# Altium PCB 10515.0462_全联供主板(2拼版)_V1.0.PcbDoc (part 5 of 18)
Units mm, origin at the board's own origin, x right, y up, seen from the top; angles counter-clockwise.
Board outline 282 x 198 mm, 2 copper layers (Top Layer, Bottom Layer); 716 components, 0 nets, 2364 pads, 1800 vias.
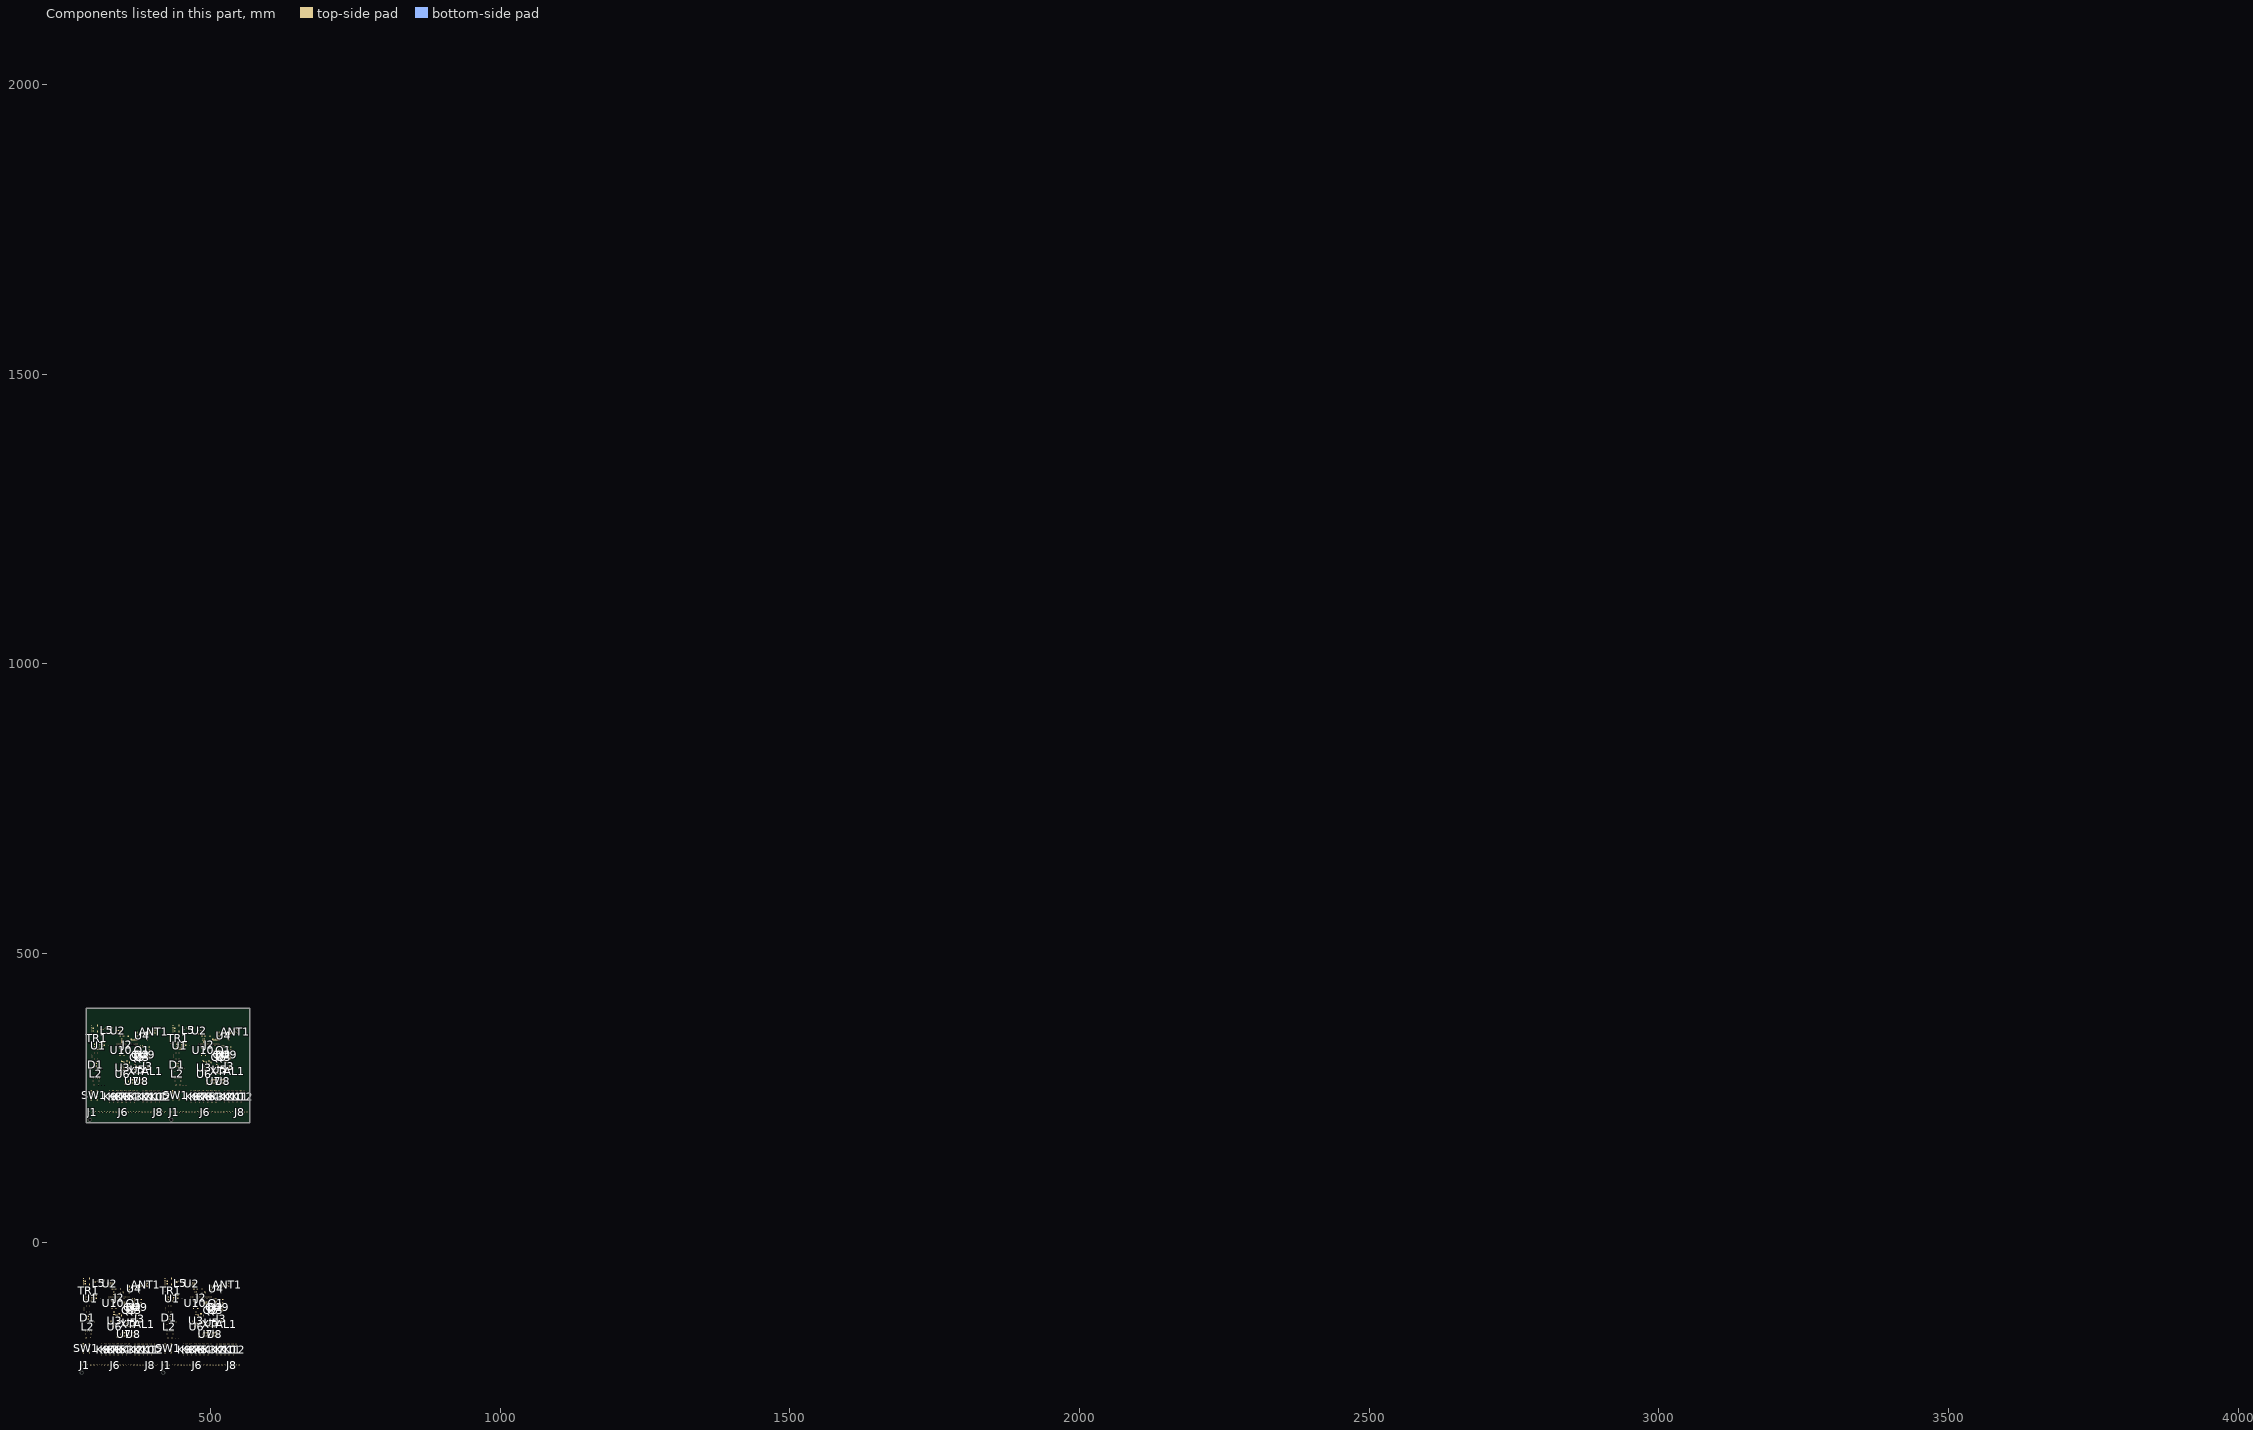
[diagram p5: the components of this part, seen from the top]

## Via types
v1: diameter 0.7, hole 0.4, Top Layer to Bottom Layer, tented both sides, 1800 vias

## Nets (pads, with @x,y where several pads share a name; then routed paths per layer and width w, separated by ;. In a path a pad name is that pad's centre, name@x,y a point inside that pad or via, vN(x,y) a via of type N, cw(c..) or ccw(c..) an arc to the next point about the centre after c; other vN are vias at no path point) (continued)
copper on no net: (continued)
  Top Layer w0.2: 520.272,290.998 ccw(c520.593,291.319) 520.593,290.864 ; 520.328,290.941 cw(c519.945,290.558) 520.487,290.558 ; 520.369,290.9 519.861,291.408 519.099,291.408 518.901,291.607 518.901,292.674 518.901,294.258 519.716,295.074 521.301,295.074 520.732,295.074 ; 520.886,-119.119 cw(c520.363,-119.642) 521.103,-119.642 cw(c521.842,-119.642) 521.319,-119.119 ; v1@521.008,303.473 ccw(c520.404,303.473) 520.831,303.9 ccw(c521.258,304.327) v1@521.258,303.723 ; 521.242,282.672 ccw(c520.815,283.099) 521.419,283.099 ccw(c522.022,283.099) 521.596,282.672 ; 521.301,297.074 524.251,297.074 525.673,295.652 525.991,295.652 526.054,295.652 526.753,296.35 529.674,296.35 529.999,296.025 ; 521.301,297.574 525.719,297.574 ; 521.301,298.074 525.36,298.074 527.411,300.125 527.411,304.577 528.144,305.31 ; 521.301,298.574 525.295,298.574 527.011,300.29 527.011,306.521 527.392,306.902 529.259,306.902 529.532,307.175 529.532,315.284 529.786,315.538 534.339,315.538 534.731,315.931 534.731,317.731 ; 521.301,299.074 525.229,299.074 526.611,300.456 526.611,306.775 527.138,307.302 528.878,307.302 529.132,307.556 529.132,318.84 529.673,319.382 ; 521.301,299.574 525.163,299.574 526.211,300.622 526.211,307.41 526.503,307.702 528.37,307.702 528.732,308.064 528.732,319.456 529.513,320.237 v1(529.513,320.491) ; 521.301,300.074 525.097,300.074 525.811,300.787 525.811,307.645 526.445,308.28 526.445,311.564 ; 521.301,301.074 523.089,301.074 523.329,301.314 523.329,302.603 524.036,303.31 ; 521.301,301.574 522.533,301.574 522.929,301.97 522.929,310.311 522.911,310.329 522.911,314.688 523.488,315.265 527.335,315.265 528.224,316.155 528.224,320.536 528.243,320.555 ; 521.301,302.074 522.11,302.074 522.405,302.369 522.405,303.083 522.401,303.087 522.401,315.03 523.163,315.792 526.465,315.792 526.846,316.173 526.846,320.555 ; 521.301,302.574 521.617,302.574 521.997,302.954 ; 521.929,-133.345 ccw(c521.076,-132.491) 522.283,-132.491 ccw(c523.49,-132.491) 522.637,-133.345 ; 521.966,302.084 ccw(c521.966,302.456) 522.229,302.193 ; 521.974,302.58 cw(c522.197,302.754) 521.997,302.954 ; 522.029,-131.644 cw(c521.416,-132.258) 522.283,-132.258 ; 522.071,-133.486 ccw(c521.559,-132.974) 522.283,-132.974 ccw(c523.007,-132.974) 522.495,-133.486 ; 522.283,-133.571 522.283,-131.517 ; 522.283,-133.378 cw(c524.735,-133.378) 523.001,-131.644 ; 522.283,-132.895 cw(c524.252,-132.895) 522.86,-131.503 ; 522.283,-132.412 cw(c523.769,-132.412) 522.718,-131.362 ; 522.283,-131.93 cw(c523.286,-131.93) 522.577,-131.22 ; 522.413,-71.827 522.554,-71.967 522.579,-71.942 ; 522.512,282.672 ccw(c522.085,283.099) 522.689,283.099 ccw(c523.292,283.099) 522.866,282.672 ; v1@523.417,-74.482 v1@523.631,-74.482 ; 523.448,302.722 cw(c524.036,302.133) 524.036,302.965 ; 523.54,302.814 ccw(c523.082,303.272) 523.729,303.272 ; 523.819,301.404 cw(c523.603,301.187) 523.909,301.187 ; 523.909,300.818 cw(c524.562,300.818) 524.204,301.364 ; 523.909,301.188 cw(c524.319,301.188) 524.094,301.532 ; 524.421,313.215 526.445,313.215 ; 524.688,297.574 cw(c524.688,296.037) 525.774,297.124 ; 524.771,312.965 cw(c525.375,312.361) 525.375,313.215 ; 524.771,313.439 ccw(c525.311,313.978) 525.311,313.215 ; 524.861,296.464 ccw(c525.991,297.594) 525.991,295.996 ccw(c525.991,296.981) 526.687,296.285 ; 524.913,312.823 cw(c525.858,311.878) 525.858,313.215 ; 524.913,313.58 ccw(c525.794,314.461) 525.794,313.215 ; 525.038,325.317 525.356,325 ; 525.17,297.574 cw(c525.17,296.52) 525.916,297.265 ; 525.202,296.123 ccw(c525.991,296.911) 525.991,295.796 ccw(c525.991,296.298) 526.346,295.943 ; 525.544,295.781 ccw(c525.991,296.229) 525.991,295.596 ; 525.653,297.574 cw(c525.653,297.003) 526.057,297.407 ; 525.917,-74.482 526.033,-74.482 ; 526.228,311.309 cw(c525.705,310.786) 526.445,310.786 cw(c527.185,310.786) 526.662,311.309 ; 526.228,312.998 ccw(c525.705,312.475) 525.705,313.215 ccw(c525.705,313.955) 526.228,313.432 ; 526.297,295.69 cw(c526.792,295.69) 526.442,296.039 ; 526.437,322.933 cw(c525.697,322.194) 526.74,322.114 ; 526.629,320.162 cw(c526.106,319.639) 526.846,319.639 cw(c527.586,319.639) 527.063,320.162 ; 526.744,322.625 cw(c526.269,322.15) 526.939,322.099 ; 526.754,322.398 ccw(c526.714,322.523) 526.846,322.523 ccw(c526.978,322.523) 526.938,322.398 ; 527.411,301.303 528.841,301.303 ; 528.026,320.162 cw(c527.548,319.684) 528.224,319.684 ; 528.042,322.337 ccw(c527.66,322.777) 528.243,322.777 ccw(c528.826,322.777) 528.444,322.337 ; 528.224,319.594 cw(c529.028,319.594) 528.46,320.162 ; 528.587,301.086 ccw(c528.063,300.563) 528.063,301.303 ccw(c528.063,302.043) 528.587,301.52 ; 529.212,318.92 cw(c529.987,318.145) 530.077,319.238 ; 529.517,319.226 cw(c530.034,318.709) 530.094,319.437 ; 529.793,319.294 ccw(c529.674,319.258) 529.674,319.382 ; 529.793,319.471 cw(c529.674,319.507) 529.674,319.382 ; 529.819,295.758 ccw(c529.711,296.025) 529.999,296.025 ; v1@529.916,316.625 cw(c529.554,316.235) 530.086,316.235 ; 529.999,295.193 529.999,296.025 ; v1(530.086,316.808) 530.086,316.235 ; 530.086,319.382 529.673,319.382 ; 530.178,295.758 cw(c530.287,296.025) 529.999,296.025 ; v1@530.256,316.625 ccw(c530.618,316.235) 530.086,316.235 ; 530.53,301.341 530.492,301.303 532.277,301.303 ; 530.53,302.947 530.53,303.074 ; 530.656,348.23 cw(c533.417,348.23) 531.465,350.183 ; 530.656,348.713 cw(c532.935,348.713) 531.323,350.324 ; 530.656,349.196 cw(c532.452,349.196) 531.182,350.465 ; 530.656,349.678 cw(c531.969,349.678) 531.04,350.607 ; 530.747,301.086 cw(c531.27,300.563) 531.27,301.303 cw(c531.27,302.043) 530.747,301.52 ; 530.788,350.395 cw(c530.29,350.305) 530.648,349.948 cw(c530.986,349.609) 531.093,350.076 ; 530.833,352.27 ccw(c530.499,352.082) 530.499,352.465 ; 530.833,352.661 cw(c530.499,352.849) 530.499,352.465 ; 530.899,354.183 ccw(c530.216,353.5) 530.216,354.465 ccw(c530.216,355.431) 530.899,354.748 ; 530.899,356.183 ccw(c530.216,355.5) 530.216,356.465 ccw(c530.216,357.431) 530.899,356.748 ; 531.632,352.465 530.499,352.465 ; 531.632,354.465 530.213,354.465 529.767,354.019 529.767,347.288 529.132,346.653 493.572,346.653 493.11,346.191 493.11,345.175 ; 532.023,301.086 ccw(c531.499,300.563) 531.499,301.303 ccw(c531.499,302.043) 532.023,301.52 ; 532.312,302.838 532.312,302.897 532.312,303.024 ; 532.966,317.476 cw(c532.443,316.953) 533.183,316.953 cw(c533.923,316.953) 533.4,317.476 ; 533.183,317.731 533.183,316.415 532.815,316.046 530.275,316.046 530.086,316.235 ; 534.515,317.476 cw(c533.992,316.953) 534.731,316.953 cw(c535.471,316.953) 534.948,317.476 ; 535.558,303.251 ccw(c534.705,304.104) 535.912,304.104 ccw(c537.119,304.104) 536.265,303.251 ; 535.658,304.951 cw(c535.044,304.338) 535.912,304.338 ; 535.7,303.109 ccw(c535.188,303.621) 535.912,303.621 ccw(c536.636,303.621) 536.124,303.109 ; 535.912,303.024 535.912,305.078 ; 535.912,303.217 cw(c538.363,303.217) 536.63,304.951 ; 535.912,303.7 cw(c537.881,303.7) 536.488,305.092 ; 535.912,304.183 cw(c537.398,304.183) 536.347,305.234 ; 535.912,304.666 cw(c536.915,304.666) 536.206,305.375 ; 536.042,364.769 536.182,364.628 536.208,364.654 ; v1@537.046,362.114 v1@537.26,362.114 ; 539.546,362.114 539.661,362.114 ; 323.841,-72.151 324.211,-71.781 ; 325.095,-68.992 325.276,-68.811 ; 338.724,367.603 338.905,367.785 ; 340.721,-110.77 ccw(c340.556,-110.77) 340.622,-110.618 cw(c340.556,-110.77) 340.721,-110.77 ; 340.721,-110.77 cw(c340.886,-110.77) 340.821,-110.618 ccw(c340.886,-110.77) 340.721,-110.77 ; 354.35,325.826 ccw(c354.185,325.826) 354.25,325.977 cw(c354.185,325.826) 354.35,325.826 ; 354.35,325.826 cw(c354.515,325.826) 354.449,325.977 ccw(c354.515,325.826) 354.35,325.826 ; 464.841,-72.151 465.211,-71.781 ; 466.095,-68.992 466.277,-68.811 ; 479.724,367.603 479.905,367.785 ; 481.721,-110.77 ccw(c481.556,-110.77) 481.622,-110.618 cw(c481.556,-110.77) 481.721,-110.77 ; 481.721,-110.77 cw(c481.886,-110.77) 481.821,-110.618 ccw(c481.886,-110.77) 481.721,-110.77 ; 495.35,325.826 ccw(c495.185,325.826) 495.25,325.977 cw(c495.185,325.826) 495.35,325.826 ; 495.35,325.826 cw(c495.515,325.826) 495.449,325.977 ccw(c495.515,325.826) 495.35,325.826
  Top Layer w0.3: v1@339.183,-110.53 cw(c338.841,-110.872) 339.324,-110.872 cw(c339.807,-110.872) v1@339.466,-110.53 ; v1(339.324,-110.389) 339.324,-113.183 339.832,-113.691 347.96,-113.691 348.341,-114.072 v1(348.341,-129.439) ; 346.182,-102.105 346.436,-101.851 346.436,-94.26 ; 346.246,-101.76 ccw(c345.787,-101.301) 346.436,-101.301 ; 346.436,-101.344 ccw(c347.025,-101.344) 346.609,-101.76 ; 346.829,-93.273 cw(c345.486,-93.31) 346.436,-94.26 ; 347.194,-96.305 cw(c346.596,-96.902) 347.441,-96.902 cw(c348.286,-96.902) 347.688,-96.305 ; 347.424,-93.867 ccw(c347.386,-95.21) 346.436,-94.26 ; 347.441,-95.795 347.441,-100.726 347.706,-100.991 349.611,-100.991 349.981,-101.361 ; 347.441,-93.255 346.436,-94.26 ; v1@348.2,-129.298 ccw(c347.858,-128.956) 348.341,-128.956 ccw(c348.824,-128.956) v1@348.483,-129.298 ; 349.369,-93.255 cw(c347.892,-93.255) 348.936,-94.3 cw(c349.981,-95.345) 349.981,-93.867 ; 349.548,-96.228 cw(c348.504,-97.273) 349.981,-97.273 cw(c351.459,-97.273) 350.414,-96.228 ; 349.808,-101.752 ccw(c349.452,-101.361) 349.981,-101.361 ; 349.981,-101.941 349.981,-101.361 ; 349.981,-95.795 349.981,-99.583 350.246,-99.848 356.342,-99.848 356.723,-100.229 356.723,-108.593 355.551,-109.765 ; 349.981,-93.255 348.722,-94.514 348.722,-100.229 348.976,-100.483 353.167,-100.483 353.45,-100.766 353.45,-101.941 ; 350.154,-101.752 cw(c350.51,-101.361) 349.981,-101.361 ; v1@352.811,326.065 cw(c352.47,325.724) 352.953,325.724 cw(c353.436,325.724) v1@353.094,326.065 ; v1(352.953,326.206) 352.953,323.412 353.461,322.904 361.589,322.904 361.97,322.523 v1(361.97,307.156) ; 353.269,-101.76 ccw(c352.831,-101.322) 353.45,-101.322 ccw(c354.069,-101.322) 353.632,-101.76 ; 355.589,-109.509 ccw(c355.589,-108.982) 355.961,-109.355 ; 355.845,-109.765 cw(c356.556,-109.765) 356.053,-109.263 ; 359.811,334.491 360.065,334.745 360.065,342.335 ; 359.875,334.835 ccw(c359.416,335.294) 360.065,335.294 ; 360.065,335.252 ccw(c360.654,335.252) 360.237,334.835 ; 360.458,343.323 cw(c359.115,343.285) 360.065,342.335 ; 360.822,340.291 cw(c360.225,339.693) 361.07,339.693 cw(c361.915,339.693) 361.317,340.291 ; 361.053,342.728 ccw(c361.015,341.385) 360.065,342.335 ; 361.07,340.8 361.07,335.87 361.335,335.604 363.24,335.604 363.61,335.235 ; 361.07,343.34 360.065,342.335 ; v1@361.828,307.298 ccw(c361.487,307.639) 361.97,307.639 ccw(c362.453,307.639) v1@362.111,307.298 ; 362.998,343.34 cw(c361.52,343.34) 362.565,342.295 cw(c363.61,341.251) 363.61,342.728 ; 363.177,340.367 cw(c362.132,339.323) 363.61,339.323 cw(c365.087,339.323) 364.043,340.367 ; 363.437,334.844 ccw(c363.081,335.235) 363.61,335.235 ; 363.61,334.654 363.61,335.235 ; 363.61,340.8 363.61,337.013 363.875,336.747 369.971,336.747 370.352,336.366 370.352,328.003 369.179,326.83 ; 363.61,343.34 362.351,342.081 362.351,336.366 362.605,336.112 366.796,336.112 367.079,335.829 367.079,334.654 ; 363.782,334.844 cw(c364.139,335.235) 363.61,335.235 ; 366.898,334.835 ccw(c366.46,335.273) 367.079,335.273 ccw(c367.698,335.273) 367.26,334.835 ; 369.217,327.086 ccw(c369.217,327.613) 369.59,327.241 ; 369.474,326.83 cw(c370.185,326.83) 369.682,327.333 ; v1@480.183,-110.53 cw(c479.841,-110.872) 480.324,-110.872 cw(c480.807,-110.872) v1@480.466,-110.53 ; v1(480.324,-110.389) 480.324,-113.183 480.832,-113.691 488.96,-113.691 489.341,-114.072 v1(489.341,-129.439) ; 487.182,-102.105 487.436,-101.851 487.436,-94.26 ; 487.246,-101.76 ccw(c486.787,-101.301) 487.436,-101.301 ; 487.436,-101.344 ccw(c488.025,-101.344) 487.609,-101.76 ; 487.829,-93.273 cw(c486.486,-93.31) 487.436,-94.26 ; 488.194,-96.305 cw(c487.596,-96.902) 488.441,-96.902 cw(c489.286,-96.902) 488.688,-96.305 ; 488.424,-93.867 ccw(c488.386,-95.21) 487.436,-94.26 ; 488.441,-95.795 488.441,-100.726 488.706,-100.991 490.611,-100.991 490.981,-101.361 ; 488.441,-93.255 487.436,-94.26 ; v1@489.2,-129.298 ccw(c488.858,-128.956) 489.341,-128.956 ccw(c489.824,-128.956) v1@489.483,-129.298 ; 490.369,-93.255 cw(c488.892,-93.255) 489.936,-94.3 cw(c490.981,-95.345) 490.981,-93.867 ; 490.548,-96.228 cw(c489.504,-97.273) 490.981,-97.273 cw(c492.459,-97.273) 491.414,-96.228 ; 490.808,-101.752 ccw(c490.452,-101.361) 490.981,-101.361 ; 490.981,-101.941 490.981,-101.361 ; 490.981,-95.795 490.981,-99.583 491.246,-99.848 497.342,-99.848 497.723,-100.229 497.723,-108.593 496.551,-109.765 ; 490.981,-93.255 489.722,-94.514 489.722,-100.229 489.976,-100.483 494.167,-100.483 494.45,-100.766 494.45,-101.941 ; 491.154,-101.752 cw(c491.51,-101.361) 490.981,-101.361 ; v1@493.811,326.065 cw(c493.47,325.724) 493.953,325.724 cw(c494.436,325.724) v1@494.094,326.065 ; v1(493.953,326.206) 493.953,323.412 494.461,322.904 502.589,322.904 502.97,322.523 v1(502.97,307.156) ; 494.269,-101.76 ccw(c493.831,-101.322) 494.45,-101.322 ccw(c495.069,-101.322) 494.632,-101.76 ; 496.589,-109.509 ccw(c496.589,-108.982) 496.961,-109.355 ; 496.845,-109.765 cw(c497.556,-109.765) 497.053,-109.263 ; 500.811,334.491 501.065,334.745 501.065,342.335 ; 500.875,334.835 ccw(c500.416,335.294) 501.065,335.294 ; 501.065,335.252 ccw(c501.654,335.252) 501.237,334.835 ; 501.458,343.323 cw(c500.115,343.285) 501.065,342.335 ; 501.822,340.291 cw(c501.225,339.693) 502.07,339.693 cw(c502.915,339.693) 502.317,340.291 ; 502.053,342.728 ccw(c502.015,341.385) 501.065,342.335 ; 502.07,340.8 502.07,335.87 502.335,335.604 504.24,335.604 504.61,335.235 ; 502.07,343.34 501.065,342.335 ; v1@502.828,307.298 ccw(c502.487,307.639) 502.97,307.639 ccw(c503.453,307.639) v1@503.111,307.298 ; 503.998,343.34 cw(c502.52,343.34) 503.565,342.295 cw(c504.61,341.251) 504.61,342.728 ; 504.177,340.367 cw(c503.132,339.323) 504.61,339.323 cw(c506.087,339.323) 505.043,340.367 ; 504.437,334.844 ccw(c504.081,335.235) 504.61,335.235 ; 504.61,334.654 504.61,335.235 ; 504.61,340.8 504.61,337.013 504.875,336.747 510.971,336.747 511.352,336.366 511.352,328.003 510.179,326.83 ; 504.61,343.34 503.351,342.081 503.351,336.366 503.605,336.112 507.796,336.112 508.079,335.829 508.079,334.654 ; 504.782,334.844 cw(c505.139,335.235) 504.61,335.235 ; 507.898,334.835 ccw(c507.46,335.273) 508.079,335.273 ccw(c508.698,335.273) 508.26,334.835 ; 510.217,327.086 ccw(c510.217,327.613) 510.59,327.241 ; 510.474,326.83 cw(c511.185,326.83) 510.682,327.333
  Top Layer w0.4: 327.204,-70.942 327.613,-70.942 328.578,-71.908 328.578,-72.605 ; 327.204,-68.992 328.098,-68.098 330.434,-68.098 330.801,-68.465 330.801,-69.153 ; 327.604,-68.992 cw(c328.57,-68.992) 327.887,-68.309 ; 328.433,-72.459 ccw(c328.08,-72.107) 328.578,-72.107 ccw(c329.077,-72.107) 328.724,-72.459 ; 330.655,-68.969 ccw(c330.303,-68.617) 330.801,-68.617 ccw(c331.299,-68.617) 330.947,-68.969 ; 340.833,365.653 341.241,365.653 342.207,364.687 342.207,363.99 ; 340.833,367.603 341.727,368.497 344.063,368.497 344.43,368.131 344.43,367.442 ; 341.233,367.603 cw(c342.198,367.603) 341.516,368.286 ; 342.061,364.136 ccw(c341.709,364.489) 342.207,364.489 ccw(c342.706,364.489) 342.353,364.136 ; 344.284,367.626 ccw(c343.931,367.979) 344.43,367.979 ccw(c344.928,367.979) 344.576,367.626 ; 468.204,-70.942 468.613,-70.942 469.579,-71.908 469.579,-72.605 ; 468.204,-68.992 469.098,-68.098 471.434,-68.098 471.801,-68.465 471.801,-69.153 ; 468.604,-68.992 cw(c469.57,-68.992) 468.887,-68.309 ; 469.433,-72.459 ccw(c469.08,-72.107) 469.579,-72.107 ccw(c470.077,-72.107) 469.724,-72.459 ; 471.655,-68.969 ccw(c471.303,-68.617) 471.801,-68.617 ccw(c472.299,-68.617) 471.947,-68.969 ; 481.833,365.653 482.241,365.653 483.207,364.687 483.207,363.99 ; 481.833,367.603 482.727,368.497 485.063,368.497 485.43,368.131 485.43,367.442 ; 482.233,367.603 cw(c483.198,367.603) 482.516,368.286 ; 483.061,364.136 ccw(c482.709,364.489) 483.207,364.489 ccw(c483.706,364.489) 483.353,364.136 ; 485.284,367.626 ccw(c484.931,367.979) 485.43,367.979 ccw(c485.928,367.979) 485.576,367.626